# Altium PCB PCB1.PcbDoc
Units mil, origin at the board's own origin, x right, y up, seen from the top; angles counter-clockwise.
Board outline 3840 x 3665 mil, 2 copper layers (Top Layer, Bottom Layer); 30 components, 23 nets, 105 pads, 0 vias.
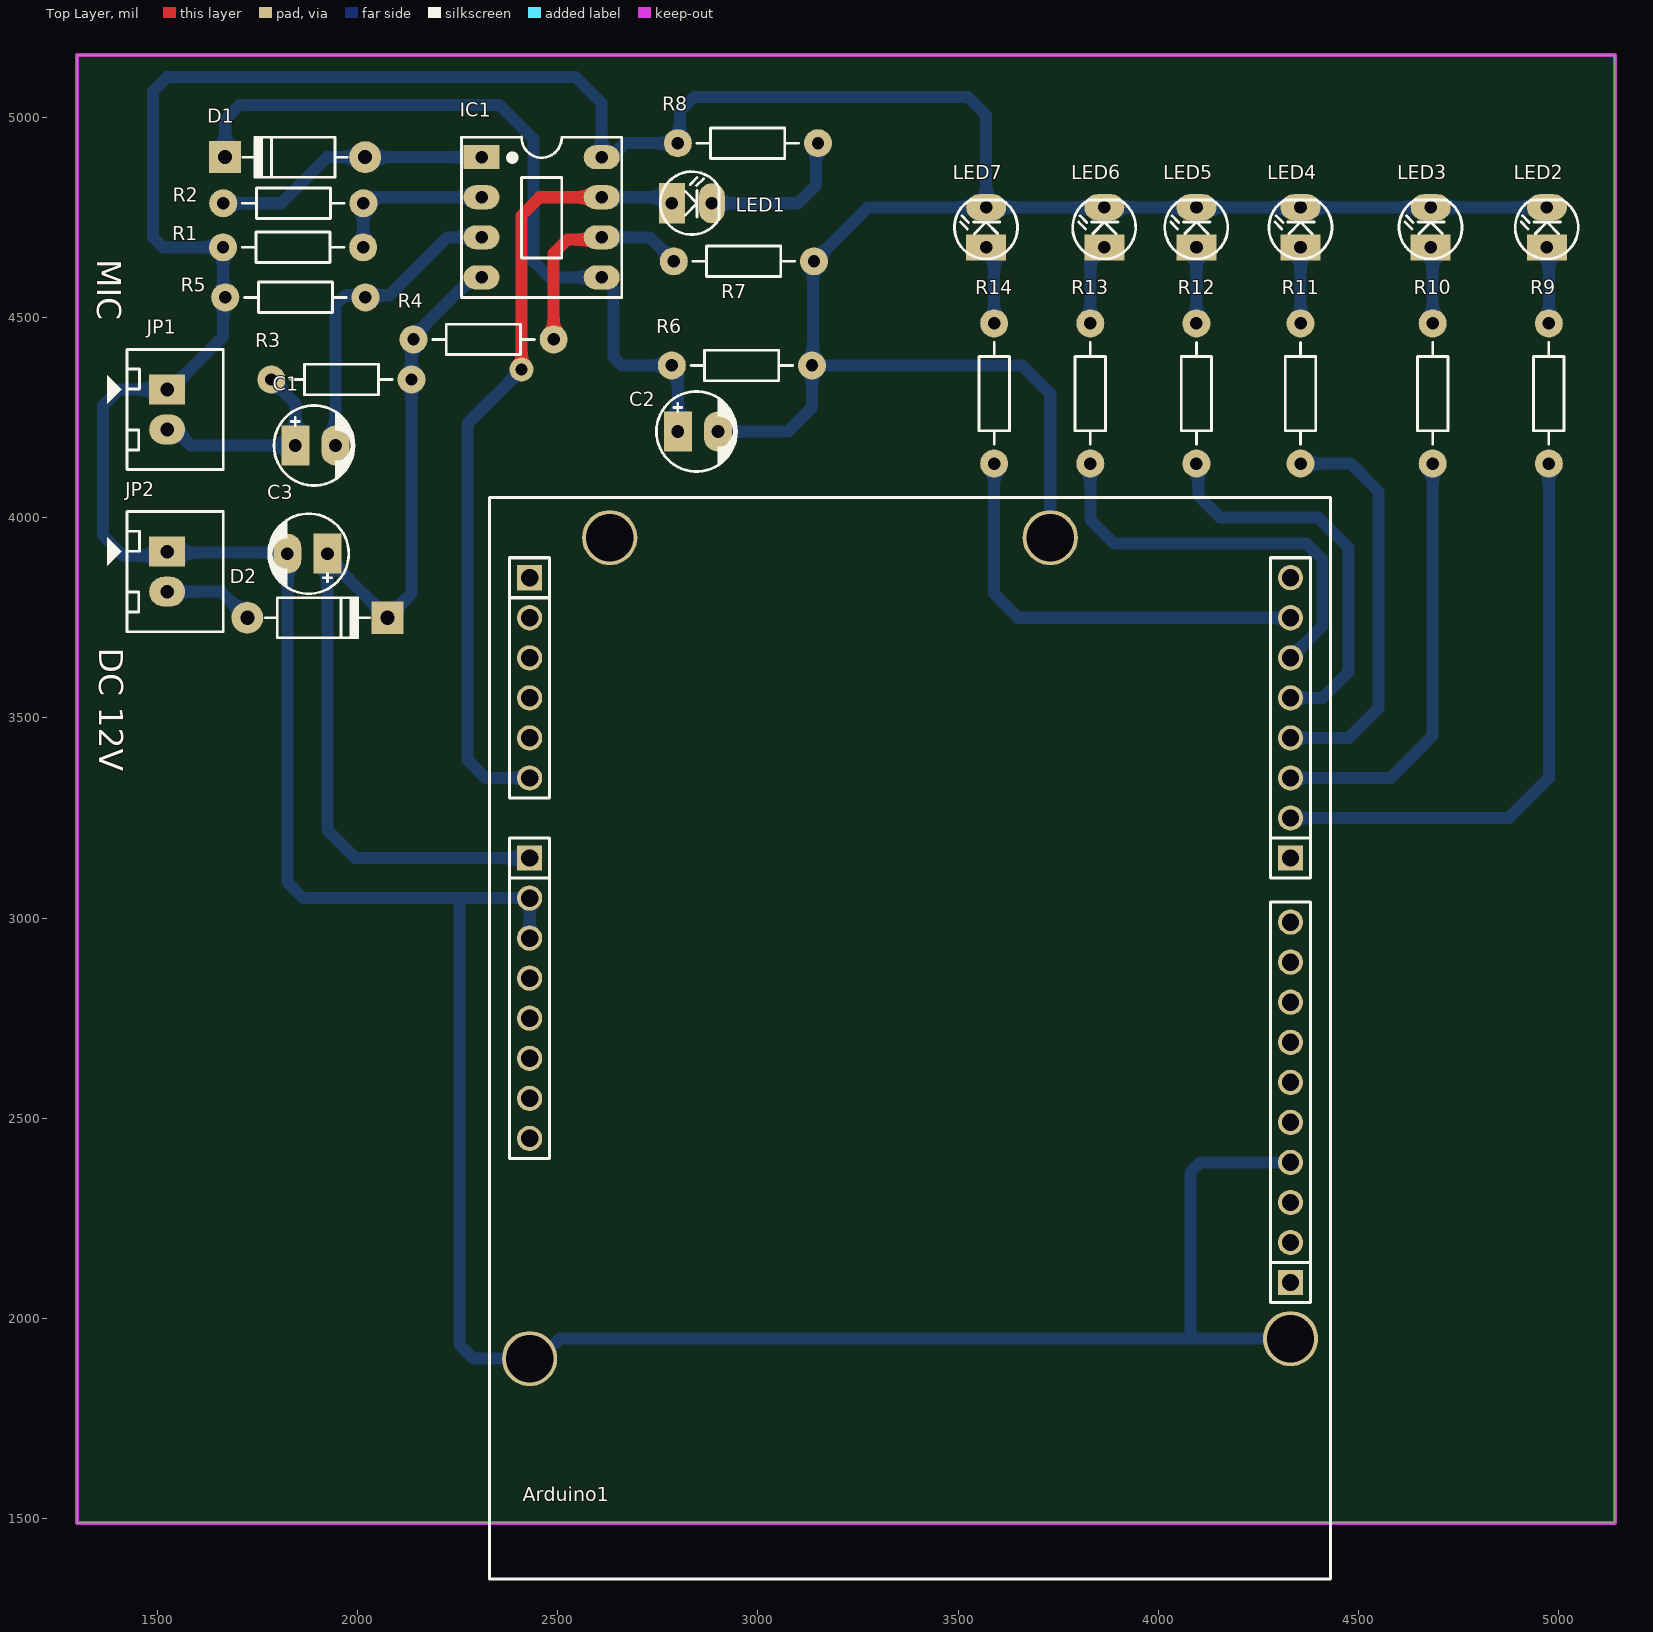
[diagram p0: Top Layer view]
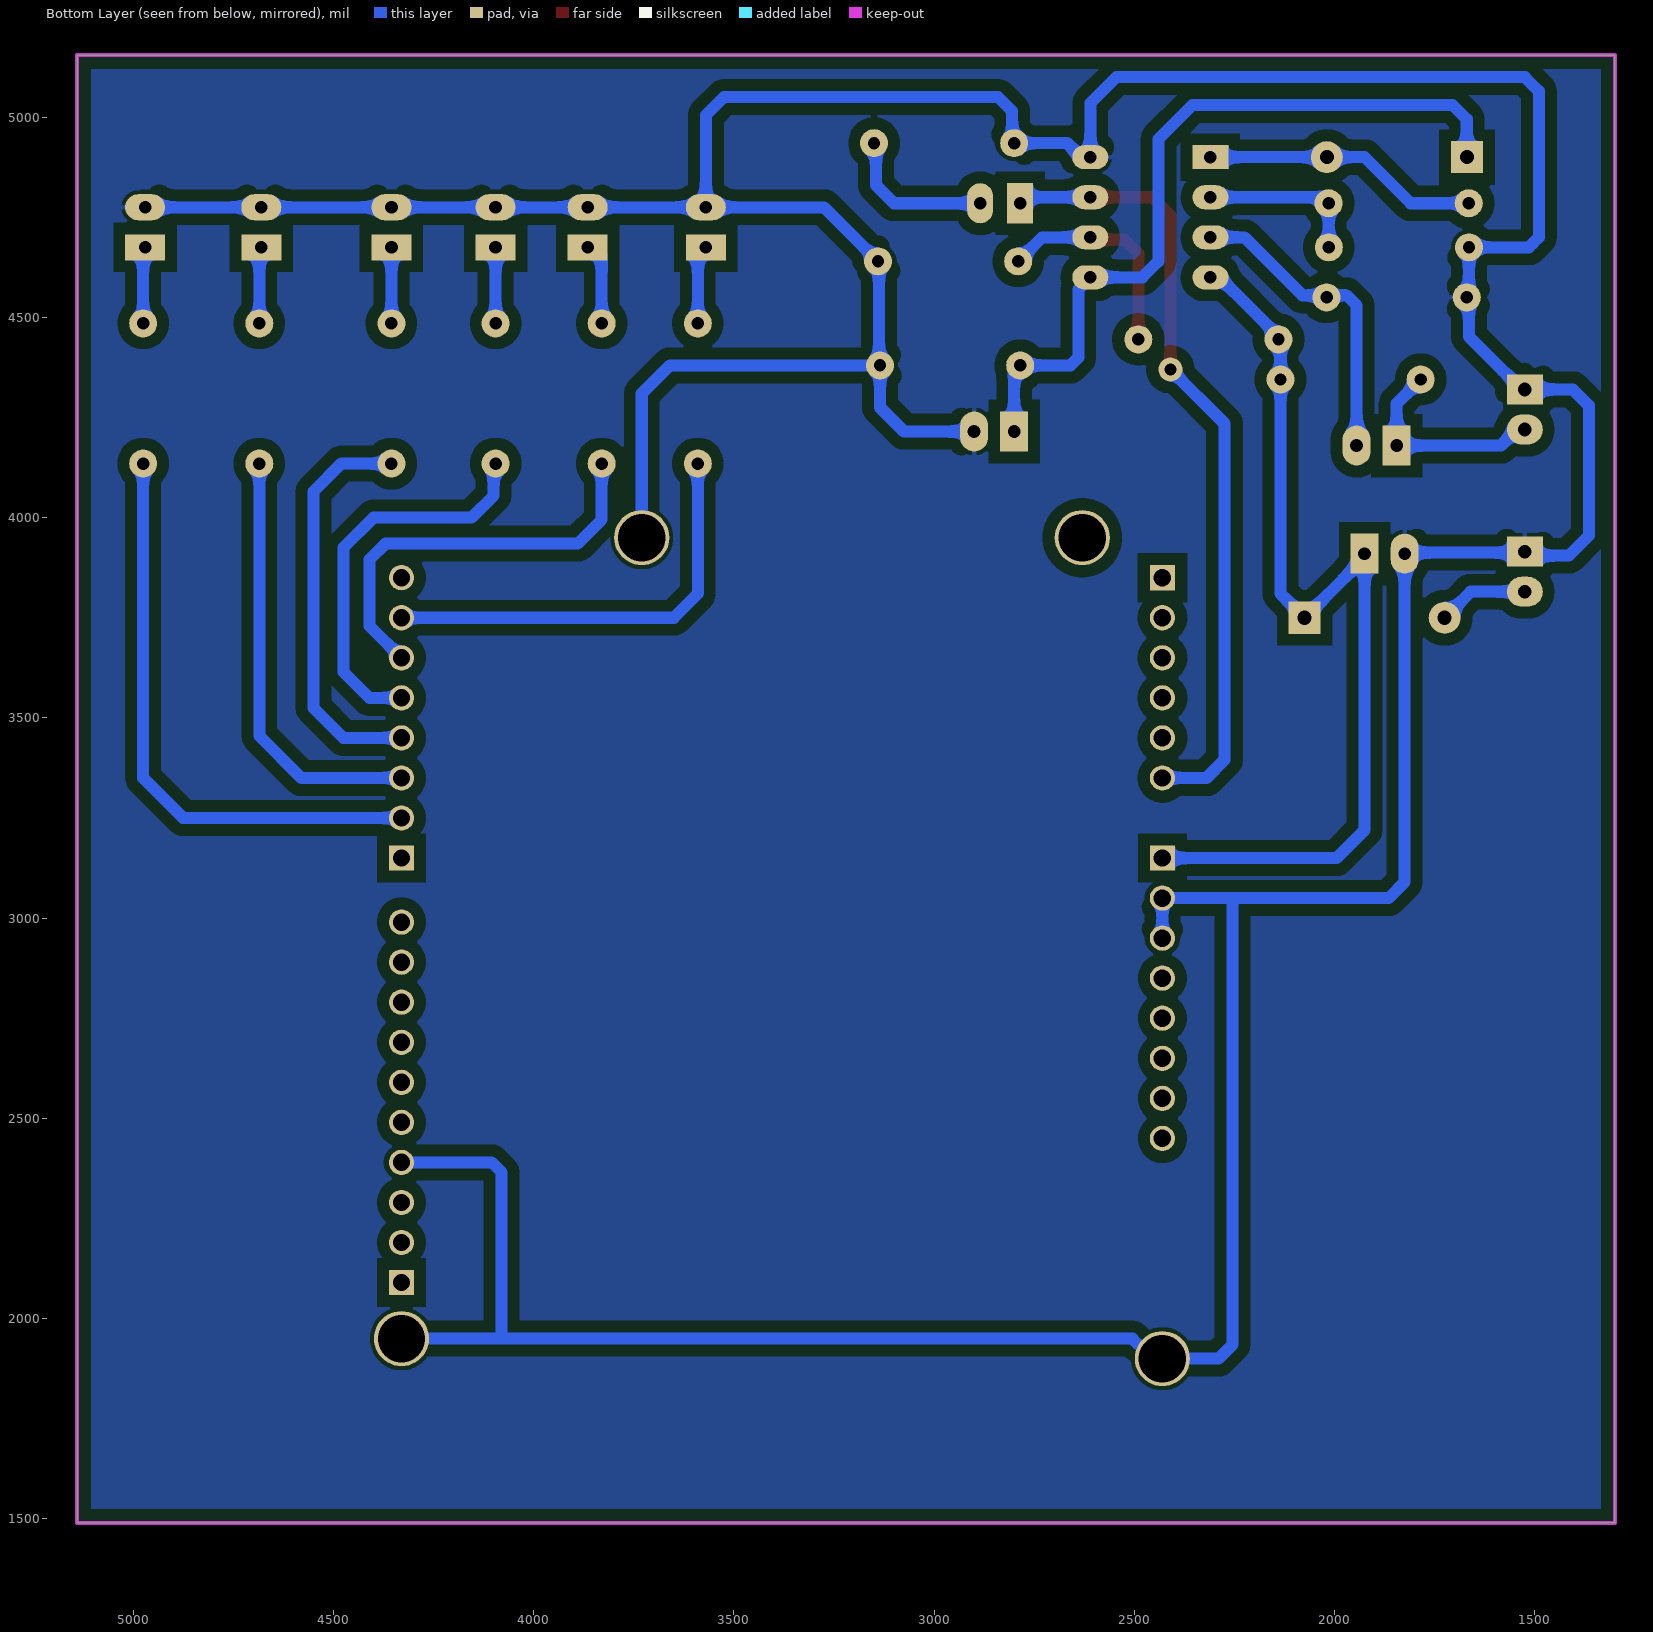
[diagram p1: Bottom Layer view, seen from below]

## Layer stack, top to bottom
Top Solder: solder mask 0.4, Solder Resist, Dk 3.5
Top Layer: signal copper 1.4
Dielectric 1: dielectric 12.6, FR-4, Dk 4.8
Bottom Layer: signal copper 1.4
Bottom Solder: solder mask 0.4, Solder Resist, Dk 3.5

## Board outline
1300,1490 1300,5155 5140,5155 5140,1490

## Design rules (kind name [scope] priority, off if disabled: settings)
Clearance [All] p1: gap=30 ignorepadtopadclearanceinfootprint=FALSE
PolygonConnect [All] p1: connectstyle=Relief reliefconductorwidth=10 reliefentries=4 polygonreliefangle="90 Angle" airgapwidth=10
RoutingVias [All] p1: holewidth=28 width=50 viastyle="Through Hole" minholewidth=28 minwidth=50 maxholewidth=28 maxwidth=50
SolderMaskExpansion [All] p1: expansion=4 istentingtop=FALSE
Width [All] p1: maxlimit=40 minlimit=10 preferedwidth=20
30 further rules are at their usual default settings.

## Components (designator, comment, footprint, x,y, rotation, side; value= is the part's Value field where it differs from the comment)
Arduino1 "Arduino Uno R3" "Arduino UNO R3" 3340,2675 r270 top value="Cau 1A"
C1 "0.1uF" CP1/2 1845,4180 r0 top value=10uF/50V
C2 "10uF" CP1/2 2800,4215 r0 top value=10uF/50V
C3 "0.1uF" CP1/2 1925,3910 r180 top value=10uF/50V
D1 "1N4007" D1A 2019.4,4900 r0 top
D2 "1N4007" D1A 1725,3750 r180 top
IC1 "LM358" DIP8 2460,4755 r270 top
JP1 "JP2" CON2 1525,4320 r270 top value="Connector 2"
JP2 "JP2" CON2 1525,3915 r270 top value="Connector 2"
LED1 "LED" LED-3 2785,4785 r0 top value="LED 3 ly Single Colour"
LED2 "LED" LED-3 4970,4675 r90 top value="LED 3 ly Single Colour"
LED3 "LED" LED-3 4680,4675 r90 top value="LED 3 ly Single Colour"
LED4 "LED" LED-3 4355,4675 r90 top value="LED 3 ly Single Colour"
LED5 "LED" LED-3 4095,4675 r90 top value="LED 3 ly Single Colour"
LED6 "LED" LED-3 3865,4675 r90 top value="LED 3 ly Single Colour"
LED7 "LED" LED-3 3570,4675 r90 top value="LED 3 ly Single Colour"
R1 "1k" R1/4W 2014.4,4675 r180 top value="R1/4W - 1K"
R2 "150k" R1/4W 1665,4785 r0 top value="R1/4W - 1K"
R3 "10k" R1/4W 1785,4345 r0 top value="R1/4W - 1K"
R4 "100k" R1/4W 2490,4445 r180 top value="R1/4W - 1K"
R5 "100k" R1/4W 1670,4550 r0 top value="R1/4W - 1K"
R6 "100k" R1/4W 3135,4380 r180 top value="R1/4W - 1K"
R7 "100k" R1/4W 3140,4640 r180 top value="R1/4W - 1K"
R8 "1k" R1/4W 3150,4935 r180 top value="R1/4W - 1K"
R9 "330" R1/4W 4975,4485 r270 top value="R1/4W - 1K"
R10 "330" R1/4W 4685,4485 r270 top value="R1/4W - 1K"
R11 "330" R1/4W 4355,4485 r270 top value="R1/4W - 1K"
R12 "330" R1/4W 4095,4485 r270 top value="R1/4W - 1K"
R13 "330" R1/4W 3830,4485 r270 top value="R1/4W - 1K"
R14 "330" R1/4W 3590,4485 r270 top value="R1/4W - 1K"

## Footprints (in the part's own frame and the unit in brackets; to place one, negate y for a bottom-side part, rotate by r counter-clockwise, add the part's x,y. Pads: shape width x height; smd on the part's side, far side on the other; paste and mask are expansions set on the pad)
"Arduino UNO R3" [mm]
  round 1.6 hole 1.1: 0-RX(-29.845,25.146) 1-TX(-27.305,25.146) 2(-24.765,25.146) 3V3(-1.905,-23.114) 4(-19.685,25.146) 5V(-4.445,-23.114) 8(-8.001,25.146) 12(2.159,25.146) 13(4.699,25.146) A0(-17.145,-23.114) A1(-19.685,-23.114) A2(-22.225,-23.114) A3(-24.765,-23.114) A4(-27.305,-23.114) AREF(9.779,25.146) GND(-9.525,-23.114) GND(-6.985,-23.114) GND(7.239,25.146) IOREF(3.175,-23.114) NC(5.715,-23.114) RESET(0.635,-23.114) SDA(12.319,25.146) ~3(-22.225,25.146) ~5(-17.145,25.146) ~6(-14.605,25.146) ~9(-5.461,25.146) ~10(-2.921,25.146) ~11(-0.381,25.146)
  rect 1.6x1.6 hole 1.1: 7(-12.065,25.146) A5(-29.845,-23.114) SCL(14.859,25.146) Vin(-12.065,-23.114)
  round 3.5 hole 3: GND(-32.385,9.906) GND(18.415,25.146) GND(19.685,-23.114) ""(-32.385,-18.034)
  round 0 all layers, no hole: ""(-32.385,9.906) ""(18.415,25.146) ""(19.685,-23.114)
  oval 0x2 all layers, no hole: ""(-32.385,-18.034)
  silkscreen extent -34.93,-25.65 33.66,27.69, body extent -34.93,-25.65 40,27.69, height 15.28
CON2 [mil] "CON2"
  rect 75x90 hole 34: 1(0,0)
  oval 75x90 hole 34: 2(100,0)
  silkscreen extent -100,-150 200,140, body extent -68,-70 168,107, height 236
CP1/2 [mil] "Tu hoa < 22uF/16>50V"
  rect 70x100 hole 32: 1(0,0)
  oval 70x100 hole 32: 2(100,0)
  silkscreen extent -53,-100 147,100, body extent -49,-99 149,99, height 287
D1A [mil] "Diode 1A, W 100mil, L 350mil"
  round 80 hole 35: 1(0,0)
  rect 80x80 hole 35: 2(-350,0)
  silkscreen extent -305,-50 -45,50, body extent -386,-33 34,36, height 84
DIP8 [mil] "DIP, 8-Leads, Row Spacing 7.62mm, Pitch 2.54mm, Body 9.91x6.73mm"
  rect 60x90 hole 31: 1(-145,-150)
  oval 60x90 hole 31: 2(-45,-150) 3(55,-150) 4(155,-150) 5(155,150) 6(55,150) 7(-45,150) 8(-145,150)
  silkscreen extent -195,-200 205,200, body extent -213,-153 213,153, height 177
LED-3 [mil] "LED 2 PIN, 3ly Only colour"
  rect 65x100 hole 32: 1(0,0)
  oval 65x100 hole 32: 2(100,0)
  silkscreen extent -29,-78 118,79, body extent -25,-75 113,75, height 217
R1/4W [mil] "R 1/4W, 2 Pin, 350mil"
  round 70 hole 31: 1(0,0) 2(350,0)
  silkscreen extent 48,-38 302,38, body extent -40,-47 386,47, height 111

## Part data
Arduino1: "Arduino UNO R3"
C1 C2 C3: library part CP1, "Cap P  0,1uF < 22uF , 16 - 50V", Description 1="10 => 220uF/6,3V/10V - 10uF => 100uF/16V", Description 2="0,1uF => 33uF/50V - 10uF => 22uF/63V", Description 3="0,47uF => 10uF/100V"
D1 D2: library part D1A, "Diode 1A"
IC1: "Low-Power Dual Operational Amplifier"
JP1 JP2: library part Con2, "Connector 2"
LED1 LED2 LED3 LED4 LED5 LED6 LED7: "LED Single colour Green and Red"
R1 R2 R3 R4 R5 R6 R7 R8 R9 R10 R11 R12 R13 R14: library part R1/4W, "Resistor 1/4W"

## Free pads (board coordinates)
  round 60 hole 30: 3(2410,4370)

## Nets (pads, with @x,y where several pads share a name; then routed paths per layer and width w, separated by ;. In a path a pad name is that pad's centre, name@x,y a point inside that pad or via, vN(x,y) a via of type N, cw(c..) or ccw(c..) an arc to the next point about the centre after c; other vN are vias at no path point)
12V: Arduino1.Vin C3.1 D2.2 IC1.4 R3.2 R4.2 | length 2399
  Bottom Layer w30: C3.1 C3.1@1925,3895 ; IC1.4 2287.5,4600 2142.5,4455 2135,4455 R3.2 2135,3810 D2.2 1950,3875 1945,3875 C3.1@1925,3895 ; Arduino1.Vin 1995,3150 1925,3220 C3.1@1925,3895
ADC: Arduino1.A0 IC1.7 LED1.1 pad.3 | length 1985.6
  Top Layer w30: pad.3@2410,4373.83 2410,4755 2455,4800 IC1.7
  Bottom Layer w30: pad.3 2275,4235 2275,3395 2320,3350 Arduino1.A0 ; IC1.7 2770,4800 LED1.1
GND: Arduino1.GND C2.2 C3.2 IC1.8 JP1.1 JP2.1 LED2.2 LED3.2 LED4.2 LED5.2 LED6.2 LED7.2 R1.2 R5.1 R6.1 R7.1 R8.2 | length 13420.1
  Bottom Layer w30: C3.2@1810,3910 1807.5,3912.5 1527.5,3912.5 JP2.1 1515,3905 1415,3905 1365,3955 1365,4280 1405,4320 JP1.1 1532.5,4320 1664.4,4451.9 R1.2 1515,4675 1505.01,4684.99 1490,4700 1490,5065 1525,5100 2545,5100 2610,5035 IC1.8 2633.12,4900 2668.12,4935 R8.2 2805,4940 2805,5015 2840,5050 3525,5050 3570,5005 LED7.2 ; C3.2 1825,3090 1865,3050 2245,3050 ; Arduino1.GND@2430,1900 2290,1900 2255,1935 2255,3040 2245,3050 ; Arduino1.GND@2430,2950 2430,3050 2245,3050 ; 2490,1935 2505,1950 4080,1950 ; C2.2 3075,4215 3135,4275 R6.1 ; Arduino1.GND@3730,3950 3730,4310 3660,4380 R6.1 ; Arduino1.GND@4330,1950 4080,1950 ; Arduino1.GND@4330,2390 4105,2390 4080,2365 4080,1950 ; LED2.2 LED3.2 LED4.2 LED5.2 LED6.2 LED7.2 ; R6.1 3137.5,4382.5 3137.5,4637.5 R7.1 3275,4775 LED7.2
NetArduino1_1-TX: Arduino1.1-TX R14.2 | length 1089.9
  Bottom Layer w30: R14.2 3590,3810 3650,3750 Arduino1.1-TX
NetArduino1_2: Arduino1.2 R13.2 | length 1039.6
  Bottom Layer w30: R13.2 3830,3995 3890,3935 4370,3935 4410,3895 4410,3730 Arduino1.2
NetArduino1_4: Arduino1.4 R11.2 | length 1015.1
  Bottom Layer w30: Arduino1.4 4475,3450 4550,3525 4550,4065 4480,4135 R11.2
NetArduino1_~3: Arduino1.~3 R12.2 | length 992.8
  Bottom Layer w30: R12.2 4100,4130 4100,4055 4155,4000 4400,4000 4475,3925 4475,3615 4410,3550 Arduino1.~3
NetArduino1_~5: Arduino1.~5 R10.2 | length 1078.5
  Bottom Layer w30: Arduino1.~5 4580,3350 4685,3455 R10.2
NetArduino1_~6: Arduino1.~6 R9.2 | length 1471.4
  Bottom Layer w30: Arduino1.~6 4875,3250 4975,3350 R9.2
NetC1_1: C1.1 JP1.2 R3.1 | length 526.4
  Bottom Layer w30: JP1.2 1544.68,4220 1584.68,4180 C1.1 1845,4285 R3.1
NetC1_2: C1.2 IC1.3 R5.2 | length 785.4
  Bottom Layer w30: C1.2 1945,4530 1970,4555 2080,4555 2225,4700 IC1.3
NetC2_1: C2.1 D1.2 IC1.5 R6.2 | length 1947.5
  Bottom Layer w30: D1.2 1670,4900.6 1670,4995 1705,5030 2355,5030 2440.07,4944.93 2440.07,4920.07 2440,4920 2440,4640 2480,4600 IC1.5 2616.88,4600 2630.74,4586.14 2630.74,4579.26 2640,4570 2640,4400 2660,4380 R6.2 2785,4369.18 2800,4354.18 C2.1
NetD1_1: D1.1 IC1.1 R2.1 | length 692.6
  Bottom Layer w30: R2.1 1810,4785 1925,4900 D1.1 IC1.1
NetD2_1: D2.1 JP2.2 | length 226.9
  Bottom Layer w30: JP2.2 1660,3815 D2.1
NetIC1_2: IC1.2 R1.1 R2.2 | length 411.5
  Bottom Layer w30: R1.1 2014.7,4675.3 2014.7,4784.7 R2.2 2025.82,4785 2040.82,4800 IC1.2
NetIC1_6: IC1.6 R4.1 R7.2 | length 556.4
  Top Layer w30: R4.1 2490,4660 2524.26,4694.26 2604.26,4694.26 IC1.6
  Bottom Layer w30: IC1.6 2730,4700 R7.2
NetLED1_2: LED1.2 R8.1 | length 385.7
  Bottom Layer w30: LED1.2 3100,4785 3145,4830 3145,4930 R8.1
NetLED2_1: LED2.1 R9.1 | length 192.1
  Bottom Layer w30: LED2.1 4975,4670 R9.1
NetLED3_1: LED3.1 R10.1 | length 192.1
  Bottom Layer w30: LED3.1 4685,4670 R10.1
NetLED4_1: LED4.1 R11.1 | length 190
  Bottom Layer w30: R11.1 LED4.1
NetLED5_1: LED5.1 R12.1 | length 190
  Bottom Layer w30: R12.1 LED5.1
NetLED6_1: LED6.1 R13.1 | length 214.7
  Bottom Layer w30: R13.1 3830,4657.5 3847.5,4675 LED6.1
NetLED7_1: LED7.1 R14.1 | length 199.7
  Bottom Layer w30: LED7.1 3572.5,4675 3590,4657.5 R14.1
pads on no net: Arduino1. Arduino1.0-RX Arduino1.3V3 Arduino1.5V Arduino1.7 Arduino1.8 Arduino1.12 Arduino1.13 Arduino1.A1 Arduino1.A2 Arduino1.A3 Arduino1.A4 Arduino1.A5 Arduino1.AREF Arduino1.IOREF Arduino1.NC Arduino1.RESET Arduino1.SCL Arduino1.SDA Arduino1.~9 Arduino1.~10 Arduino1.~11

## Polygon pours and split planes (outlines as drawn)
GND on Bottom Layer "GND_L02_P000" (solid, pour order 0): 1300,5155 1300,1490 5135,1490 5140,1495 5140,5155

## Keep-outs
Keep-Out Layer:
  the board outline again, w10

## Silkscreen, mask and mechanical layers (free items; w line width, h text height)
Top Overlay:
  text "MIC" at 1350,4645 h60 r270
  text "DC 12V" at 1355,3675 h60 r270